# KiCad board OLD_PCB.kicad_pcb (continued)
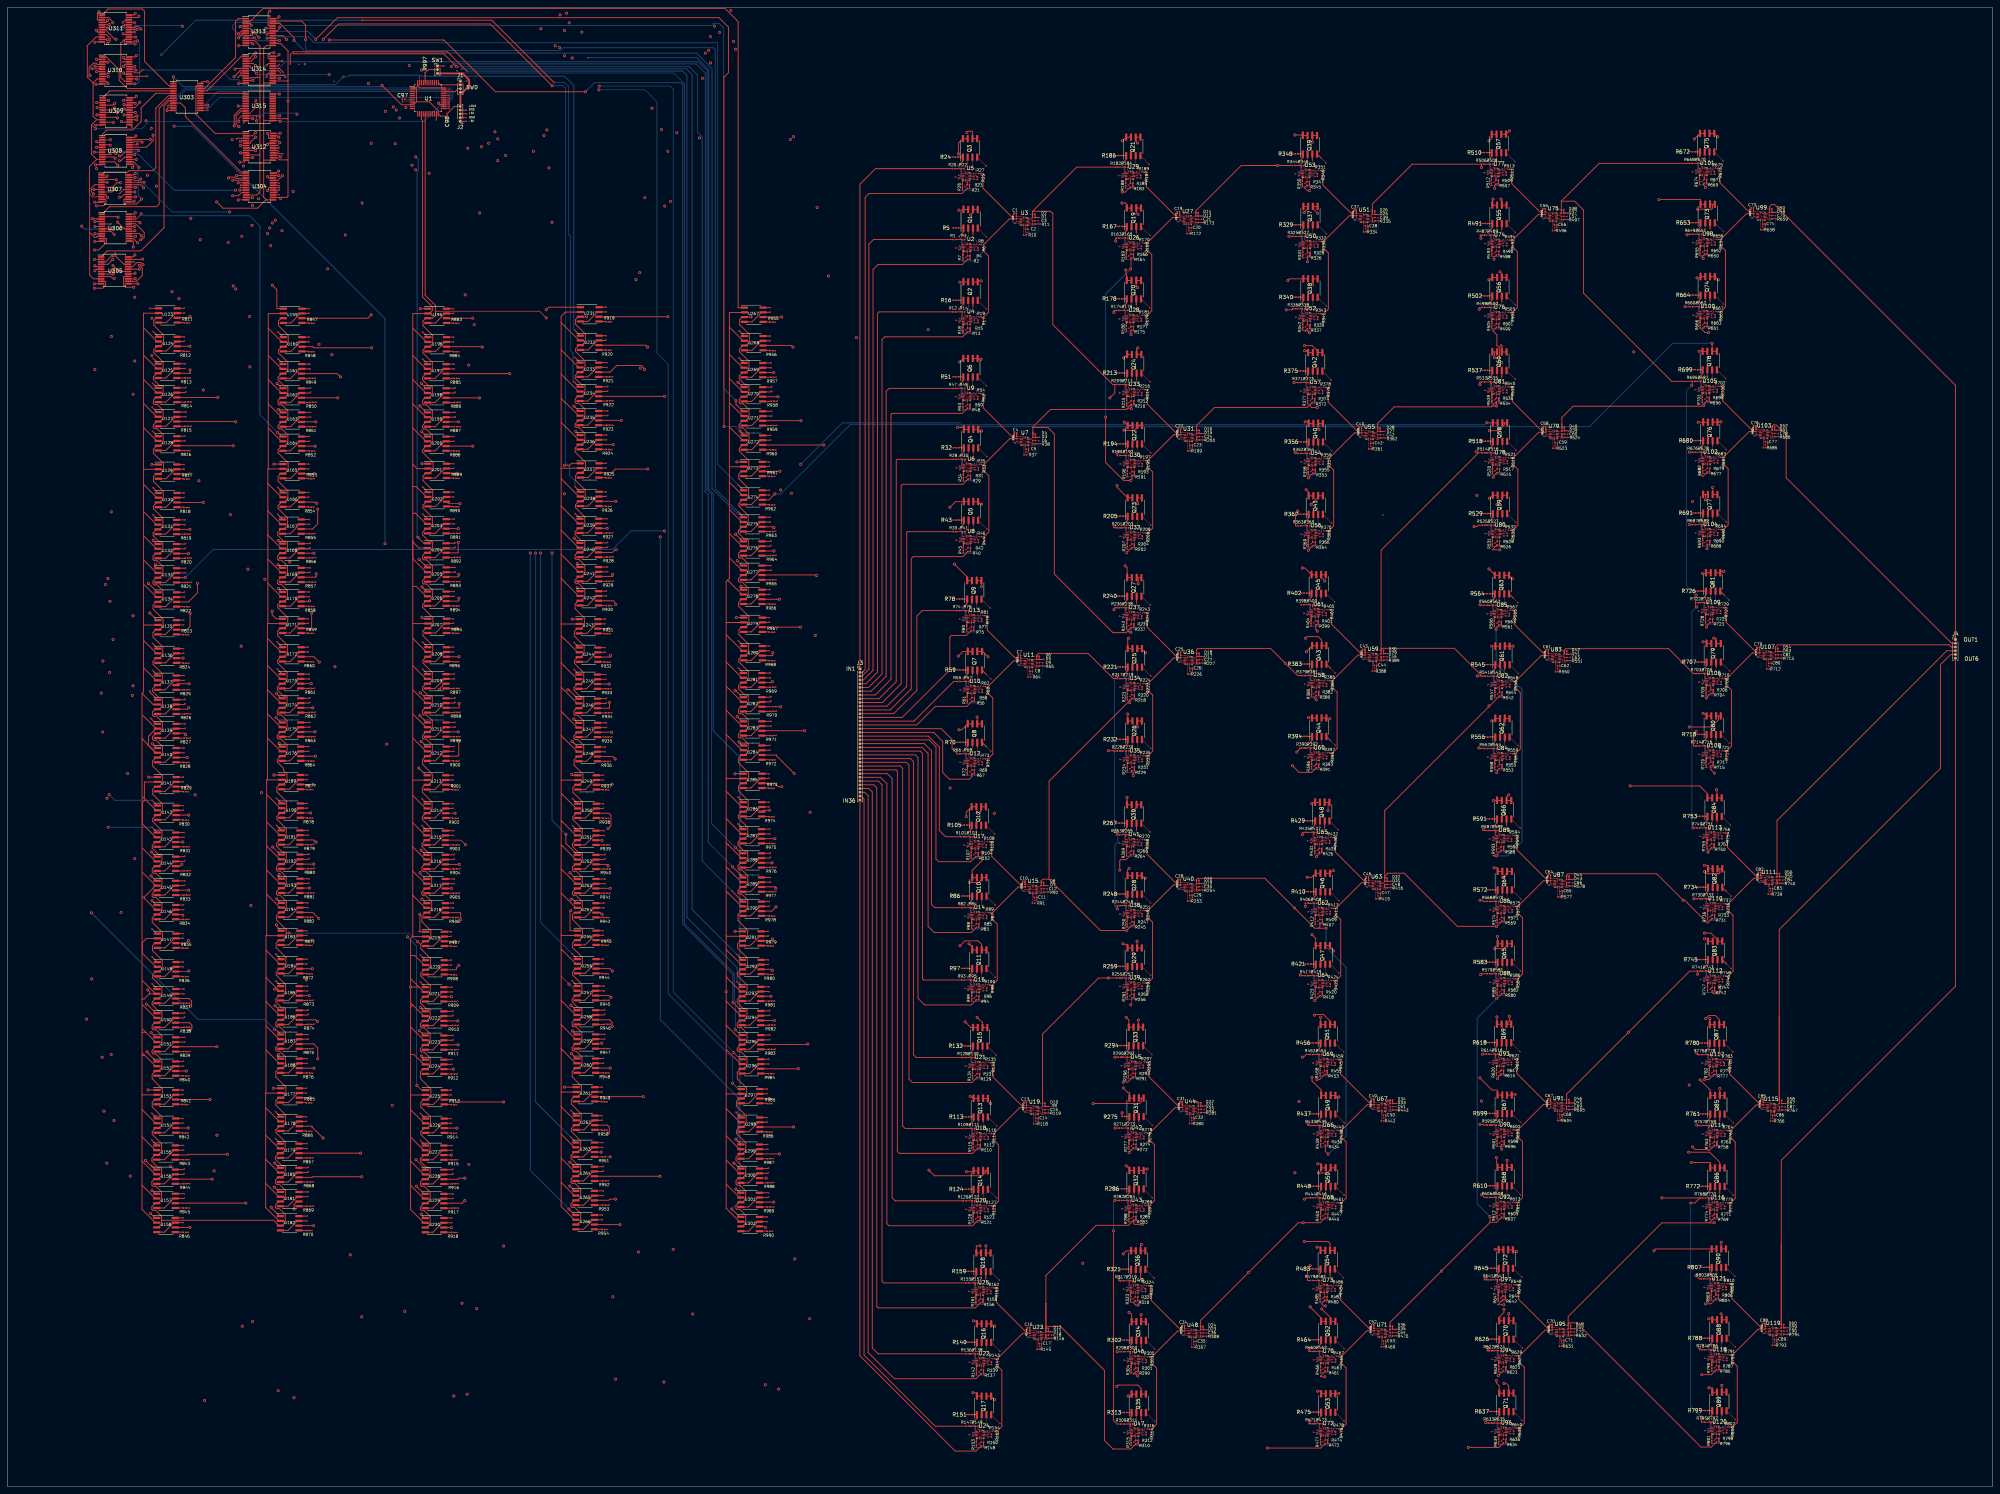
[diagram p0: board, top side]
## Routing (per net, layer and track width the routed paths; a pad name or vN(x,y) marks a point on that pad's centre or on a via; arc(x,y) is an arc through that point) (continued)
/CS: length 69
  Top w0.25: v2(44.3,376.5) U303.1 ; U1.10 105.19,369.01 100.1,374.1 v2(100,374.2)
  Bottom w0.25: v2(100,374.2) 99.73,373.93 46.88,373.93 v2(44.3,376.5)
/L1_IN1: length 155.9
  Top w0.25: J3.1 227.6,347.8 231.76,351.96 R20.1
/L1_IN2: length 156
  Top w0.25: R21.1 256.21,346.68 254.84,345.31 230.01,345.31 229,344.3 229,218.2 228.2,217.4 J3.2
/L1_IN3: length 139.7
  Top w0.25: J3.3 228.1,216.4 230,218.3 230,331.8 231.23,333.03 R1.1
/L1_IN4: length 138
  Top w0.25: R2.1 256.36,327.74 254.99,326.37 232.53,326.37 232.5,326.4 231.1,325 231.1,218 228.5,215.4 J3.4
/L1_IN5: length 122.1
  Top w0.25: J3.5 229.2,214.4 232.3,217.5 232.3,313.3 232.7,313.7 R12.1
/L1_IN6: length 120.4
  Top w0.25: R13.1 256.36,308.42 254.98,307.05 234.25,307.05 233.5,306.3 233.5,217 229.9,213.4 J3.6
/L1_IN7: length 102.9
  Top w0.25: R47.1 235.36,293.26 234.6,292.5 234.6,216.4 230.6,212.4 J3.7
/L1_IN8: length 101.9
  Top w0.25: J3.8 231.7,211.4 235.9,215.6 235.9,286.3 236.21,286.61 254.94,286.61 256.31,287.98 R48.1 256.32,287.98
/L1_IN9: length 86.1
  Top w0.25: 252.58,274.33 R28.1 237.53,274.33 237.3,274.1 237.3,215 232.7,210.4 J3.9
/L1_IN10: length 84.6
  Top w0.25: R29.1 256.46,269.04 255.09,267.67 238.97,267.67 238.6,267.3 238.6,214.4 233.6,209.4 J3.10
/L1_IN11: length 68.4
  Top w0.25: R39.1 252.57,255 240.3,255 240.1,254.8 240.1,213.7 234.8,208.4 J3.11
/L1_IN12: length 66.8
  Top w0.25: 256.47,249.72 R40.1 256.47,249.72 ; 256.47,249.72 256.46,249.72 255.09,248.35 241.85,248.35 241.3,247.8 241.3,213 235.7,207.4 J3.12
/L1_IN13: length 48.9
  Top w0.25: J3.13 236.6,206.4 242.8,212.6 242.8,232.5 244.23,233.93 253.47,233.93 R74.1
/L1_IN14: length 44.6
  Top w0.25: 257.37,228.64 R75.1 257.36,228.64 255.98,227.27 251.97,227.27 251.6,226.9 251.6,218.1 238.9,205.4 J3.14
/L1_IN15: length 30.4
  Top w0.25: J3.15 242,204.4 252.59,214.99 R55.1
/L1_IN16: length 32.5
  Top w0.25: J3.16 242.8,203.4 247.74,208.34 256.13,208.34 257.51,209.71 R56.1
/L1_IN17: length 30.2
  Top w0.25: J3.17 249.3,202.4 252.2,199.5 252.2,197.08 R66.1
/L1_IN18: length 41
  Top w0.25: R67.1 257.51,190.38 R67.1 ; R67.1 257.51,189.61 256.8,188.9 251.5,188.9 249.7,190.7 249.7,199 247.3,201.4 J3.18
/L1_IN19: length 51.3
  Top w0.25: R101.1 254.66,173.54 250.46,173.54 248.8,175.2 248.8,197.5 245.9,200.4 J3.19
/L1_IN20: length 62.6
  Top w0.25: R102.1 258.55,168.26 257.18,166.88 248.62,166.88 247.9,167.6 247.9,197.6 246.1,199.4 J3.20
/L1_IN21: length 69.4
  Top w0.25: J3.21 244.8,198.4 246.7,196.5 246.7,155.5 247.6,154.6 253.73,154.6 253.73,154.6 254.81,154.6 R82.1
/L1_IN22: length 79.2
  Top w0.25: 258.71,149.32 R83.1 258.71,149.32 ; 258.71,149.32 258.7,149.32 257.32,147.95 247.45,147.95 245.8,149.6 245.8,195.8 244.2,197.4 J3.22
/L1_IN23: length 87.8
  Top w0.25: R93.1 244.62,135.28 244.3,135.6 244.3,195.8 243.7,196.4 J3.23
/L1_IN24: length 97
  Top w0.25: R94.1 258.69,129.99 257.32,128.62 244.88,128.62 243.1,130.4 243.1,194.7 242.4,195.4 J3.24
/L1_IN25: length 106.4
  Top w0.25: J3.25 241.1,194.4 241.9,193.6 241.9,115.3 242.64,114.56 R128.1
/L1_IN26: length 116.5
  Top w0.25: 258.92,109.28 R129.1 258.91,109.28 257.54,107.91 241.59,107.91 240.7,108.8 240.7,192.7 240,193.4 J3.26
/L1_IN27: length 123.6
  Top w0.25: J3.27 238.4,192.4 239,191.8 239,96.3 239.67,95.63 R109.1 255.18,95.63
/L1_IN28: length 133.9
  Top w0.25: J3.28 237.2,191.4 237.6,191 237.6,89.5 238.13,88.97 257.69,88.97 259.06,90.34 R110.1
/L1_IN29: length 140.4
  Top w0.25: J3.29 234.9,190.4 236.2,189.1 236.2,77.1 237,76.3 237,76.3 255.17,76.3 R120.1
/L1_IN30: length 150.5
  Top w0.25: 259.07,71.02 R121.1 259.07,71.02 ; 259.07,71.02 259.06,71.02 257.69,69.65 235.35,69.65 234.8,70.2 234.8,187.7 233.1,189.4 J3.30
/L1_IN31: length 161.5
  Top w0.25: R155.1 233.93,54.38 233.5,54.8 233.5,187.4 232.5,188.4 J3.31
/L1_IN32: length 171.8
  Top w0.25: R156.1 259.8,49.09 258.43,47.72 232.48,47.72 232.1,48.1 232.1,186.6 231.3,187.4 J3.32
/L1_IN33: length 178
  Top w0.25: J3.33 230,186.4 230.9,185.5 230.9,37 232.46,35.44 256.06,35.44 R136.1
/L1_IN34: length 184.9
  Top w0.25: R137.1 259.95,30.16 258.58,28.78 236.82,28.78 229.8,35.8 229.8,184.5 228.9,185.4 J3.34
/L1_IN35: length 185.2
  Top w0.25: J3.35 227.9,184.4 228.7,183.6 228.7,35.1 247.69,16.11 R147.1
/L1_IN36: length 192
  Top w0.25: R148.1 259.94,10.83 258.57,9.46 253.04,9.46 227.6,34.9 J3.36
/L5_OUT1: length 141.5
  Top w0.1: U99.13 469.1,340.21 469.25,340.06 U99.12 470.24,340.06 D49.2
  Top w0.25: 470.47,341.1 470.47,340.31 D49.2 ; 470.47,341.1 470.47,341.77 471.1,342.4 471.8,342.4 520.1,294.1 J4.1 ; 470.47,341.1 D50.1
/L5_OUT2: length 83.5
  Top w0.1: 471.18,282.11 470.94,281.86 469.95,281.86 469.8,282.01 U103.13
  Top w0.25: 471.17,282.65 471.17,283.19 471.5,283.52 472.21,283.52 474.9,280.83 474.9,269.4 519.1,225.2 J4.2 ; 471.17,282.65 471.17,282.12 471.17,282.11 ; 471.17,282.65 D52.1 ; 471.17,282.11 471.18,282.11 ; 471.17,282.11 D51.2
/L5_OUT3: length 52.2
  Top w0.1: U107.13 470.7,222.9 470.85,222.75 471.84,222.75 D53.2
  Top w0.25: 472.07,223.64 472.07,223 472.08,222.99 ; 472.07,223.64 472.07,224.27 472.6,224.8 518.4,224.8 519,224.2 J4.3 ; 472.07,223.64 D54.1 ; 472.08,222.99 D53.2 472.08,222.99
/L5_OUT4: length 83.7
  Top w0.1: D55.2 472.22,162.6 U111.12 471.09,162.75 U111.13
  Top w0.25: 472.46,163.63 472.46,162.85 D55.2 ; 472.46,163.63 D56.1 ; 472.46,163.63 472.46,177.86 517.8,223.2 J4.4
/L5_OUT5: length 164.7
  Top w0.1: D57.2 472.84,102.04 471.85,102.04 471.7,102.19 U115.13
  Top w0.25: D57.2 473.07,102.29 473.07,125.53 ; 473.07,125.53 D58.1 ; 473.07,125.53 473.07,148.77 516.1,191.8 516.1,219.5 518.8,222.2 J4.5
/L5_OUT6: length 221.7
  Top w0.1: U119.13 472.23,42.3 U119.12 473.37,42.15 473.61,42.39
  Top w0.25: 473.61,42.4 D59.2 ; 473.61,42.4 473.61,42.39 ; 473.61,42.4 473.6,42.4 473.6,64.75 ; 473.6,64.75 D60.1 ; 473.6,64.75 473.6,87.1 520.1,133.6 J4.6
/MOSI: length 1932.5
  Top w0.2: 196.78,312.32 198.41,312.32 v2(198.5,312.4) ; v2(143.84,312.1) 142.06,313.88 114.39,313.88 114.3,313.8 ; 74.43,147.73 74.5,147.8 v2(75.2,147.8) ; U231.3 154.59,312.42 v2(154.6,312.4) ; v2(109.5,145.5) 110.12,144.88 110.36,144.88
  Top w0.25: 196.78,312.32 196.22,312.32 195.47,311.58 195.47,310.33 198.08,307.73 198.08,305.64 197.19,304.75 196.75,304.75 196.78,304.73 U268.3 196.4,304.72 195.47,303.79 195.47,303.03 197.97,300.53 197.97,298.44 197.05,297.52 196.3,297.52 195.38,296.59 195.38,295.83 196.97,294.23 197.7,294.23 197.97,293.95 197.97,291.99 197.05,291.07 U270.3 196.06,291.07 195.38,290.38 195.38,289.45 195.65,289.17 196.43,289.17 197.97,287.62 197.97,285.54 197.05,284.62 U271.3 196.3,284.62 195.35,283.67 195.35,283.02 195.65,282.72 196.38,282.72 197.97,281.12 197.97,279.09 197.05,278.17 U272.3 196.3,278.17 195.38,277.24 195.38,276.53 197.95,273.95 197.95,272.11 196.95,271.12 U273.3 196.02,271.12 195.28,270.38 195.28,269.12 197.88,266.53 197.88,264.44 196.99,263.55 196.55,263.55 196.58,263.53 U274.3 196.2,263.51 195.28,262.59 195.28,261.83 197.78,259.33 197.78,257.24 196.85,256.32 U275.3 196.1,256.32 195.18,255.39 195.18,254.63 196.77,253.03 197.5,253.03 197.78,252.75 197.78,250.79 196.85,249.87 195.87,249.87 195.18,249.18 195.18,248.25 195.45,247.97 196.23,247.97 197.78,246.43 197.78,244.34 196.85,243.42 U277.3 196.1,243.42 195.15,242.47 195.15,241.82 195.45,241.52 196.18,241.52 197.78,239.93 197.78,237.89 196.85,236.97 U278.3 196.1,236.97 195.18,236.04 195.18,235.13 197.95,232.35 197.95,230.51 196.95,229.52 U279.3 196.02,229.52 195.28,228.78 195.28,227.53 197.88,224.93 197.88,222.84 196.99,221.95 196.55,221.95 196.58,221.93 U280.3 196.2,221.92 195.28,220.99 195.28,220.23 197.78,217.73 197.78,215.64 196.85,214.72 U281.3 196.1,214.72 195.18,213.79 195.18,213.03 196.77,211.43 197.5,211.43 197.78,211.15 197.78,209.19 196.85,208.27 195.87,208.27 195.18,207.58 195.18,206.65 195.45,206.37 196.23,206.37 197.78,204.83 197.78,202.74 196.85,201.82 U283.3 196.1,201.82 195.15,200.87 195.15,200.22 195.45,199.92 196.18,199.92 197.78,198.33 197.78,196.29 196.85,195.37 196.1,195.37 195.18,194.44 195.18,193.31 197.83,190.66 197.83,188.82 196.83,187.82 U285.3 195.89,187.82 195.15,187.08 195.15,185.83 197.75,183.23 197.75,181.14 196.86,180.26 196.43,180.26 196.45,180.23 U286.3 196.07,180.22 195.15,179.3 195.15,178.53 197.65,176.03 197.65,173.94 196.73,173.02 U287.3 195.97,173.02 195.05,172.1 195.05,171.33 196.65,169.74 197.37,169.74 197.65,169.46 197.65,167.49 196.73,166.57 U288.3 195.74,166.57 195.05,165.88 195.05,164.95 195.33,164.68 196.11,164.68 197.65,163.13 197.65,161.04 196.73,160.12 U289.3 195.97,160.12 195.03,159.17 195.03,158.53 195.33,158.23 196.06,158.23 197.65,156.63 197.65,154.59 196.73,153.67 U290.3 195.97,153.67 195.05,152.75 195.05,151.13 197.62,148.56 197.62,146.72 196.63,145.72 U291.3 195.69,145.72 194.95,144.98 194.95,143.73 197.55,141.13 197.55,139.04 196.66,138.16 196.22,138.16 196.25,138.13 U292.3 195.87,138.12 194.95,137.2 194.95,136.43 197.45,133.93 197.45,131.84 196.53,130.92 U293.3 195.77,130.92 194.85,130 194.85,129.23 196.44,127.64 197.17,127.64 197.45,127.36 197.45,125.39 196.53,124.47 U294.3 195.54,124.47 194.85,123.78 194.85,122.85 195.13,122.58 195.91,122.58 197.45,121.03 197.45,118.94 196.53,118.02 U295.3 195.77,118.02 194.83,117.07 194.83,116.43 195.13,116.12 195.86,116.12 197.45,114.53 197.45,112.49 196.53,111.57 U296.3 195.77,111.57 194.85,110.65 194.85,108.89 197.29,106.45 197.29,104.61 196.29,103.62 U297.3 195.36,103.62 194.62,102.88 194.62,101.62 197.22,99.03 197.22,96.94 196.33,96.05 195.89,96.05 195.91,96.03 U298.3 195.54,96.02 194.62,95.09 194.62,94.33 197.12,91.83 197.12,89.74 196.19,88.81 U299.3 195.44,88.81 194.52,87.89 194.52,87.12 196.11,85.53 196.84,85.53 197.12,85.25 197.12,83.29 196.19,82.37 U300.3 195.21,82.37 194.52,81.68 194.52,80.75 194.79,80.47 195.57,80.47 197.12,78.93 197.12,76.84 196.19,75.92 U301.3 195.44,75.92 194.49,74.97 194.49,74.32 194.79,74.02 195.52,74.02 197.12,72.43 197.12,70.39 196.19,69.47 U302.3 ; 41.15,71.11 41.15,70.13 40.23,69.21 U158.3 ; 41.15,71.11 71.05,71.11 72.48,69.68 U182.3 73.24,69.68 74.17,70.6 74.17,72.64 72.57,74.23 71.84,74.23 71.54,74.53 71.54,75.18 72.49,76.12 73.24,76.12 74.17,77.05 74.17,79.14 72.62,80.68 71.84,80.68 71.57,80.96 71.57,81.89 72.26,82.58 U180.3 73.24,82.58 74.17,83.5 74.17,85.46 73.89,85.74 73.16,85.74 71.57,87.34 71.57,88.1 72.49,89.03 U179.3 73.24,89.03 74.17,89.95 74.17,92.04 71.67,94.54 71.67,95.3 72.59,96.23 72.97,96.23 72.97,96.24 72.94,96.26 73.38,96.26 74.27,97.15 74.27,99.24 71.67,101.84 71.67,103.09 72.41,103.83 73.34,103.83 74.34,104.82 74.34,106.66 71.65,109.35 71.65,110.81 72.58,111.74 U188.3 73.33,111.74 74.25,112.66 74.25,114.7 72.66,116.29 71.93,116.29 71.63,116.59 71.63,117.24 72.58,118.19 73.33,118.19 74.25,119.11 74.25,121.2 72.71,122.74 71.93,122.74 71.65,123.02 71.65,123.95 72.34,124.64 U186.3 73.33,124.64 74.25,125.56 74.25,127.52 73.97,127.8 73.25,127.8 71.65,129.4 71.65,130.16 72.58,131.09 U185.3 73.33,131.09 74.25,132.01 74.25,134.1 71.75,136.6 71.75,137.36 72.68,138.29 U184.3 73.05,138.3 73.03,138.32 73.46,138.32 74.35,139.21 74.35,141.3 71.75,143.9 71.75,145.15 72.49,145.89 U183.3 73.43,145.89 74.43,146.88 74.43,148.72 71.83,151.32 71.83,152.46 72.71,153.34 73.5,153.34 74.43,154.26 74.43,156.3 72.83,157.89 72.1,157.89 71.8,158.19 71.8,158.84 72.75,159.79 73.5,159.79 74.43,160.71 74.43,162.8 72.88,164.34 72.1,164.34 71.83,164.62 71.83,165.55 72.52,166.24 73.5,166.24 74.43,167.16 74.43,169.12 74.15,169.4 73.42,169.4 71.83,171 71.83,171.76 72.75,172.69 73.5,172.69 74.43,173.61 74.43,175.7 71.93,178.2 71.93,178.96 72.85,179.89 U190.3 73.23,179.9 73.2,179.92 73.64,179.92 74.53,180.81 74.53,182.9 71.93,185.5 71.93,186.75 72.67,187.49 73.6,187.49 74.6,188.48 74.6,190.32 73.7,191.22 73.7,191.79 72.05,193.45 72.05,194.14 72.97,195.07 73.72,195.07 74.65,195.99 74.65,198.03 73.05,199.62 72.32,199.62 72.02,199.92 72.02,200.57 72.97,201.52 73.72,201.52 74.65,202.44 74.65,204.53 73.1,206.07 72.32,206.07 72.05,206.35 72.05,207.28 72.73,207.97 73.72,207.97 74.65,208.89 74.65,210.85 74.37,211.13 73.64,211.13 72.05,212.73 72.05,213.49 72.97,214.42 73.72,214.42 74.65,215.34 74.65,217.43 72.15,219.93 72.15,220.69 73.07,221.62 U172.3 73.45,221.63 73.42,221.65 73.86,221.65 74.75,222.54 74.75,224.63 72.15,227.23 72.15,228.48 72.89,229.22 U171.3 73.82,229.22 74.82,230.21 74.82,232.05 72.15,234.72 72.15,235.45 73.07,236.37 U170.3 73.83,236.37 74.75,237.29 74.75,239.33 73.16,240.93 72.43,240.93 72.12,241.23 72.12,241.87 73.07,242.82 U169.3 73.83,242.82 74.75,243.74 74.75,245.83 73.21,247.38 72.43,247.38 72.15,247.65 72.15,248.58 72.84,249.27 U168.3 73.83,249.27 74.75,250.19 74.75,252.16 74.47,252.44 73.75,252.44 72.15,254.03 72.15,254.8 73.07,255.72 U167.3 73.83,255.72 74.75,256.64 74.75,258.73 72.25,261.23 72.25,262 73.17,262.92 U166.3 73.55,262.93 73.53,262.96 73.96,262.96 74.85,263.84 74.85,265.93 72.25,268.53 72.25,269.78 72.99,270.52 U165.3 73.93,270.52 74.93,271.52 74.93,273.36 72.25,276.03 72.25,276.95 73.17,277.87 U164.3 73.93,277.87 74.85,278.79 74.85,280.83 73.26,282.43 72.53,282.43 72.23,282.73 72.23,283.37 73.17,284.32 U163.3 73.93,284.32 74.85,285.24 74.85,287.33 73.31,288.88 72.53,288.88 72.25,289.15 72.25,290.08 72.94,290.77 U162.3 73.93,290.77 74.85,291.69 74.85,293.66 74.57,293.94 73.84,293.94 72.25,295.53 72.25,296.3 73.17,297.22 U161.3 73.93,297.22 74.85,298.14 74.85,300.23 72.35,302.73 72.35,303.5 73.27,304.42 U160.3 73.65,304.43 73.62,304.46 74.06,304.46 74.95,305.34 74.95,307.43 72.35,310.03 72.35,311.28 73.09,312.02 U159.3 ; 41.15,71.11 41.15,72.17 39.55,73.76 38.83,73.76 38.52,74.06 38.52,74.71 39.47,75.66 U157.3 40.23,75.66 41.15,76.58 41.15,78.67 39.6,80.21 38.83,80.21 38.55,80.49 38.55,81.42 39.24,82.11 U156.3 40.23,82.11 41.15,83.03 41.15,84.99 40.87,85.27 40.14,85.27 38.55,86.87 38.55,87.63 39.47,88.56 U155.3 40.23,88.56 41.15,89.48 41.15,91.56 38.65,94.06 38.65,94.83 39.57,95.75 U154.3 39.95,95.77 39.92,95.79 40.36,95.79 41.25,96.68 41.25,98.77 38.65,101.37 38.65,102.62 39.39,103.36 U153.3 40.32,103.36 41.32,104.35 41.32,106.19 38.62,108.89 38.62,110.05 39.55,110.98 U152.3 40.3,110.98 41.23,111.9 41.23,113.94 39.63,115.53 38.9,115.53 38.6,115.83 38.6,116.48 39.55,117.43 U151.3 40.3,117.43 41.23,118.35 41.23,120.44 39.68,121.98 38.9,121.98 38.62,122.26 38.62,123.19 39.31,123.88 U150.3 40.3,123.88 41.23,124.8 41.23,126.76 40.95,127.04 40.22,127.04 38.62,128.64 38.62,129.4 39.55,130.33 U149.3 40.3,130.33 41.23,131.25 41.23,133.34 38.73,135.84 38.73,136.6 39.65,137.53 U148.3 40.02,137.54 40,137.56 40.44,137.56 41.32,138.45 41.32,140.54 38.73,143.14 38.73,144.39 39.46,145.12 40.4,145.12 41.4,146.12 41.4,147.96 38.65,150.71 38.65,151.85 39.57,152.77 U146.3 40.33,152.77 41.25,153.69 41.25,155.73 39.66,157.33 38.93,157.33 38.62,157.63 38.62,158.27 39.57,159.22 U145.3 40.33,159.22 41.25,160.14 41.25,162.23 39.7,163.78 38.93,163.78 38.65,164.05 38.65,164.98 39.34,165.67 U144.3 40.33,165.67 41.25,166.59 41.25,168.56 40.97,168.84 40.24,168.84 38.65,170.43 38.65,171.2 39.57,172.12 U143.3 40.33,172.12 41.25,173.04 41.25,175.13 38.75,177.63 38.75,178.4 39.67,179.32 U142.3 40.05,179.33 40.02,179.36 40.46,179.36 41.35,180.24 41.35,182.33 38.75,184.93 38.75,186.18 39.49,186.92 U141.3 40.43,186.92 41.42,187.92 41.42,189.76 38.75,192.43 38.75,193.77 39.67,194.69 U140.3 40.43,194.69 41.35,195.61 41.35,197.65 39.75,199.24 39.03,199.24 38.73,199.55 38.73,200.19 39.67,201.14 U139.3 40.43,201.14 41.35,202.06 41.35,204.15 39.8,205.69 39.03,205.69 38.75,205.97 38.75,206.9 39.44,207.59 U138.3 40.43,207.59 41.35,208.51 41.35,210.48 41.07,210.75 40.34,210.75 38.75,212.35 38.75,213.12 39.67,214.04 U137.3 40.43,214.04 41.35,214.96 41.35,217.05 38.85,219.55 38.85,220.32 39.77,221.24 U136.3 40.15,221.25 40.12,221.27 40.56,221.27 41.45,222.16 41.45,224.25 38.85,226.85 38.85,228.1 39.59,228.84 U135.3 40.53,228.84 41.52,229.84 41.52,231.67 38.88,234.32 38.88,235.34 39.8,236.27 40.55,236.27 41.48,237.19 41.48,239.23 39.88,240.82 39.15,240.82 38.85,241.12 38.85,241.77 39.8,242.72 U133.3 40.55,242.72 41.48,243.64 41.48,245.73 39.93,247.27 39.15,247.27 38.88,247.55 38.88,248.48 39.56,249.17 U132.3 40.55,249.17 41.48,250.09 41.48,252.05 41.2,252.33 40.47,252.33 38.88,253.93 38.88,254.69 39.8,255.62 U131.3 40.55,255.62 41.48,256.54 41.48,258.62 38.98,261.12 38.98,261.89 39.9,262.82 U130.3 40.27,262.83 40.25,262.85 40.69,262.85 41.57,263.74 41.57,265.83 38.98,268.43 38.98,269.68 39.71,270.42 U129.3 40.65,270.42 41.65,271.41 41.65,273.25 38.95,275.95 38.95,277.05 39.87,277.97 U128.3 40.63,277.97 41.55,278.89 41.55,280.93 39.95,282.53 39.23,282.53 38.92,282.83 38.92,283.47 39.87,284.42 U127.3 40.63,284.42 41.55,285.34 41.55,287.43 40,288.98 39.23,288.98 38.95,289.25 38.95,290.18 39.64,290.87 U126.3 40.63,290.87 41.55,291.79 41.55,293.76 41.27,294.04 40.55,294.04 38.95,295.63 38.95,296.4 39.87,297.32 U125.3 40.63,297.32 41.55,298.24 41.55,300.33 39.05,302.83 39.05,303.6 39.97,304.52 U124.3 40.35,304.53 40.32,304.56 40.76,304.56 41.65,305.44 41.65,307.53 39.05,310.13 39.05,311.38 39.79,312.12 U123.3 ; U266.3 152.13,69.97 153.06,70.89 153.06,72.93 151.46,74.52 150.73,74.52 150.43,74.82 150.43,75.47 151.38,76.42 U265.3 152.13,76.42 153.06,77.34 153.06,79.43 151.51,80.97 150.73,80.97 150.46,81.25 150.46,82.18 151.15,82.87 U264.3 152.13,82.87 153.06,83.79 153.06,85.75 152.78,86.03 152.05,86.03 150.46,87.62 150.46,88.39 151.38,89.31 U263.3 152.13,89.31 153.06,90.24 153.06,92.33 150.56,94.83 150.56,95.59 151.48,96.52 U262.3 151.86,96.53 151.83,96.55 152.27,96.55 153.16,97.44 153.16,99.53 150.56,102.12 150.56,103.38 151.3,104.12 U261.3 152.23,104.12 153.23,105.11 153.23,106.95 150.78,109.41 150.78,110.84 151.7,111.77 U260.3 152.45,111.77 153.38,112.69 153.38,114.73 151.78,116.32 151.05,116.32 150.75,116.62 150.75,117.27 151.7,118.22 U259.3 152.45,118.22 153.38,119.14 153.38,121.23 151.83,122.77 151.05,122.77 150.78,123.05 150.78,123.98 151.47,124.67 U258.3 152.45,124.67 153.38,125.59 153.38,127.55 153.1,127.83 152.37,127.83 150.78,129.43 150.78,130.19 151.7,131.12 U257.3 152.45,131.12 153.38,132.04 153.38,134.12 150.88,136.62 150.88,137.39 151.8,138.31 U256.3 152.18,138.33 152.15,138.35 152.59,138.35 153.47,139.24 153.47,141.33 150.88,143.93 150.88,145.18 151.62,145.92 U255.3 152.55,145.92 153.55,146.91 153.55,148.75 150.86,151.45 150.86,152.76 151.37,153.27 152.53,153.27 153.46,154.19 153.46,156.23 151.86,157.82 151.13,157.82 150.83,158.12 150.83,158.77 151.78,159.72 U253.3 152.53,159.72 153.46,160.64 153.46,162.73 151.91,164.27 151.13,164.27 150.86,164.55 150.86,165.48 151.55,166.17 U252.3 152.53,166.17 153.46,167.09 153.46,169.05 153.18,169.33 152.45,169.33 150.86,170.93 150.86,171.69 151.78,172.62 U251.3 152.53,172.62 153.46,173.54 153.46,175.63 150.96,178.13 150.96,178.89 151.88,179.82 U250.3 152.25,179.83 152.23,179.85 152.67,179.85 153.56,180.74 153.56,182.83 150.96,185.43 150.96,186.68 151.69,187.42 U249.3 152.63,187.42 153.63,188.41 153.63,190.25 151.25,192.63 151.25,194.04 152.18,194.97 U248.3 152.93,194.97 153.86,195.89 153.86,197.93 152.26,199.52 151.53,199.52 151.23,199.82 151.23,200.47 152.18,201.42 U247.3 152.93,201.42 153.86,202.34 153.86,204.43 152.31,205.97 151.53,205.97 151.25,206.25 151.25,207.18 151.94,207.87 152.93,207.87 153.86,208.79 153.86,210.75 153.58,211.03 152.85,211.03 151.25,212.63 151.25,213.39 152.18,214.32 U245.3 152.93,214.32 153.86,215.24 153.86,217.33 151.36,219.83 151.36,220.59 152.28,221.52 U244.3 152.66,221.53 152.63,221.55 153.07,221.55 153.96,222.44 153.96,224.53 151.36,227.13 151.36,228.38 152.09,229.12 U243.3 153.03,229.12 154.03,230.11 154.03,231.95 151.55,234.43 151.55,235.65 152.47,236.57 U242.3 153.23,236.57 154.15,237.49 154.15,239.53 152.56,241.13 151.83,241.13 151.53,241.43 151.53,242.07 152.47,243.02 U241.3 153.23,243.02 154.15,243.94 154.15,246.03 152.61,247.58 151.83,247.58 151.55,247.85 151.55,248.78 152.24,249.47 U240.3 153.23,249.47 154.15,250.39 154.15,252.36 153.87,252.64 153.15,252.64 151.55,254.23 151.55,255 152.47,255.92 U239.3 153.23,255.92 154.15,256.84 154.15,258.93 151.65,261.43 151.65,262.2 152.57,263.12 U238.3 152.95,263.13 152.93,263.16 153.36,263.16 154.25,264.04 154.25,266.13 151.65,268.73 151.65,269.98 152.39,270.72 U237.3 153.33,270.72 154.33,271.72 154.33,273.56 151.58,276.31 151.58,277.34 152.5,278.26 153.25,278.26 154.18,279.19 154.18,281.23 152.58,282.82 151.85,282.82 151.55,283.12 151.55,283.77 152.5,284.72 U235.3 153.25,284.72 154.18,285.64 154.18,287.73 152.63,289.27 151.85,289.27 151.58,289.55 151.58,290.48 152.27,291.17 U234.3 153.25,291.17 154.18,292.09 154.18,294.05 153.9,294.33 153.17,294.33 151.58,295.93 151.58,296.69 152.5,297.62 U233.3 153.25,297.62 154.18,298.54 154.18,300.62 151.68,303.12 151.68,303.89 152.6,304.82 152.97,304.82 152.97,304.83 152.95,304.85 153.39,304.85 154.28,305.74 154.28,307.83 151.68,310.43 151.68,311.68 152.41,312.42 U231.3 ; U1.17 111.52,318.18 114.3,315.4 114.3,312.8 113.52,312.02 111.68,312.02 110.94,311.28 110.94,310.03 113.54,307.43 113.54,305.34 112.65,304.45 112.21,304.45 112.23,304.43 U196.3 111.86,304.42 110.94,303.49 110.94,302.73 113.44,300.23 113.44,298.14 112.51,297.22 U197.3 111.76,297.22 110.84,296.29 110.84,295.53 112.43,293.93 113.16,293.93 113.44,293.65 113.44,291.69 112.51,290.77 U198.3 111.53,290.77 110.84,290.08 110.84,289.15 111.11,288.87 111.89,288.87 113.44,287.33 113.44,285.24 112.51,284.32 111.76,284.32 110.81,283.37 110.81,282.72 111.11,282.42 111.84,282.42 113.44,280.83 113.44,278.79 112.51,277.87 111.76,277.87 110.84,276.94 110.84,276.25 113.62,273.46 113.62,271.62 112.63,270.62 U201.3 111.69,270.62 110.95,269.88 110.95,268.63 113.55,266.03 113.55,263.94 112.66,263.06 112.23,263.06 112.25,263.03 U202.3 111.87,263.02 110.95,262.1 110.95,261.33 113.45,258.83 113.45,256.74 112.53,255.82 U203.3 111.77,255.82 110.85,254.9 110.85,254.13 112.45,252.54 113.17,252.54 113.45,252.26 113.45,250.29 112.53,249.37 U204.3 111.54,249.37 110.85,248.68 110.85,247.75 111.13,247.48 111.91,247.48 113.45,245.93 113.45,243.84 112.53,242.92 U205.3 111.77,242.92 110.83,241.97 110.83,241.33 111.13,241.03 111.86,241.03 113.45,239.43 113.45,237.39 112.53,236.47 U206.3 111.77,236.47 110.85,235.55 110.85,234.8 113.6,232.05 113.6,230.21 112.6,229.22 U207.3 111.67,229.22 110.93,228.48 110.93,227.23 113.53,224.63 113.53,222.54 112.64,221.65 112.2,221.65 112.23,221.63 U208.3 111.85,221.62 110.93,220.69 110.93,219.93 113.43,217.43 113.43,215.34 112.5,214.42 111.75,214.42 110.83,213.49 110.83,212.73 112.42,211.13 113.15,211.13 113.43,210.85 113.43,208.89 112.5,207.97 111.52,207.97 110.83,207.28 110.83,206.35 111.1,206.07 111.88,206.07 113.43,204.53 113.43,202.44 112.5,201.52 111.75,201.52 110.8,200.57 110.8,199.92 111.1,199.62 111.83,199.62 113.43,198.03 113.43,195.99 112.5,195.07 111.75,195.07 110.83,194.14 110.83,192.86 113.43,190.25 113.43,188.41 112.43,187.42 U213.3 111.5,187.42 110.76,186.68 110.76,185.43 113.36,182.83 113.36,180.74 112.47,179.85 112.03,179.85 112.06,179.83 U214.3 111.68,179.82 110.76,178.89 110.76,178.13 113.26,175.63 113.26,173.54 112.33,172.62 U215.3 111.58,172.62 110.66,171.69 110.66,170.93 112.25,169.33 112.98,169.33 113.26,169.05 113.26,167.09 112.33,166.17 U216.3 111.34,166.17 110.66,165.48 110.66,164.55 110.93,164.27 111.71,164.27 113.26,162.73 113.26,160.64 112.33,159.72 U217.3 111.58,159.72 110.63,158.77 110.63,158.12 110.93,157.82 111.66,157.82 113.26,156.23 113.26,154.19 112.33,153.27 111.58,153.27 110.66,152.34 110.66,150.85 112.13,149.37 112.13,149.35 113.03,148.45 113.03,146.61 112.03,145.62 U219.3 111.09,145.62 110.36,144.88 110.36,143.62 112.96,141.03 112.96,138.94 112.07,138.05 111.63,138.05 111.66,138.03 U220.3 111.28,138.02 110.36,137.09 110.36,136.33 112.86,133.83 112.86,131.74 111.93,130.81 U221.3 111.18,130.81 110.26,129.89 110.26,129.12 111.85,127.53 112.58,127.53 112.86,127.25 112.86,125.29 111.93,124.37 U222.3 110.95,124.37 110.26,123.68 110.26,122.75 110.53,122.47 111.31,122.47 112.86,120.93 112.86,118.84 111.93,117.92 U223.3 111.18,117.92 110.23,116.97 110.23,116.32 110.53,116.02 111.26,116.02 112.86,114.43 112.86,112.39 111.93,111.47 U224.3 110.97,111.47 110.26,110.75 110.26,108.93 113.03,106.16 113.03,104.32 112.03,103.32 U225.3 111.09,103.32 110.35,102.58 110.35,101.33 112.95,98.73 112.95,96.64 112.06,95.75 111.62,95.75 111.65,95.73 U226.3 111.27,95.72 110.35,94.8 110.35,94.03 112.85,91.53 112.85,89.44 111.93,88.52 U227.3 111.17,88.52 110.25,87.6 110.25,86.83 111.84,85.24 112.57,85.24 112.85,84.96 112.85,82.99 111.93,82.07 U228.3 110.94,82.07 110.25,81.38 110.25,80.45 110.53,80.18 111.31,80.18 112.85,78.63 112.85,76.54 111.93,75.62 U229.3 111.17,75.62 110.23,74.67 110.23,74.03 110.53,73.73 111.26,73.73 112.85,72.13 112.85,70.09 111.93,69.17 U230.3
  In5.Cu w0.2: v2(198.5,312.4) 197.81,311.72 155.28,311.72 v2(154.6,312.4) 154.3,312.1 v2(143.84,312.1)
  Bottom w0.2: v2(75.2,147.8) 107.2,147.8 v2(109.5,145.5)
/Neuron6_1/Adder2/SUM_IN: length 73
  Top w0.1: 314.15,339.06 313.12,339.06 R171.1
  Top w0.25: 312.27,338.93 311.1,338.93 R170.2 304.2,332.03 v1(304.2,330.33) 305.52,329.01 305.52,314.03 R181.2 304.19,312.71 v1(304.19,311) ; 312.27,338.93 R171.1 ; 312.27,338.93 304.05,347.15 v1(304.05,349.26) 304.05,350.97 R189.2 ; 298.72,328.13 298.72,327.75 v1(298.7,327.73) ; 298.72,328.13 298.72,328.13 R169.2 ; 298.72,328.13 298.72,328.51 ; v1(298.69,308.4) 298.71,308.42 R180.2 ; v1(298.55,346.66) 298.57,346.68 R188.2